# KiCad board main_MagicAlonso-rounded.kicad_pcb (continued)
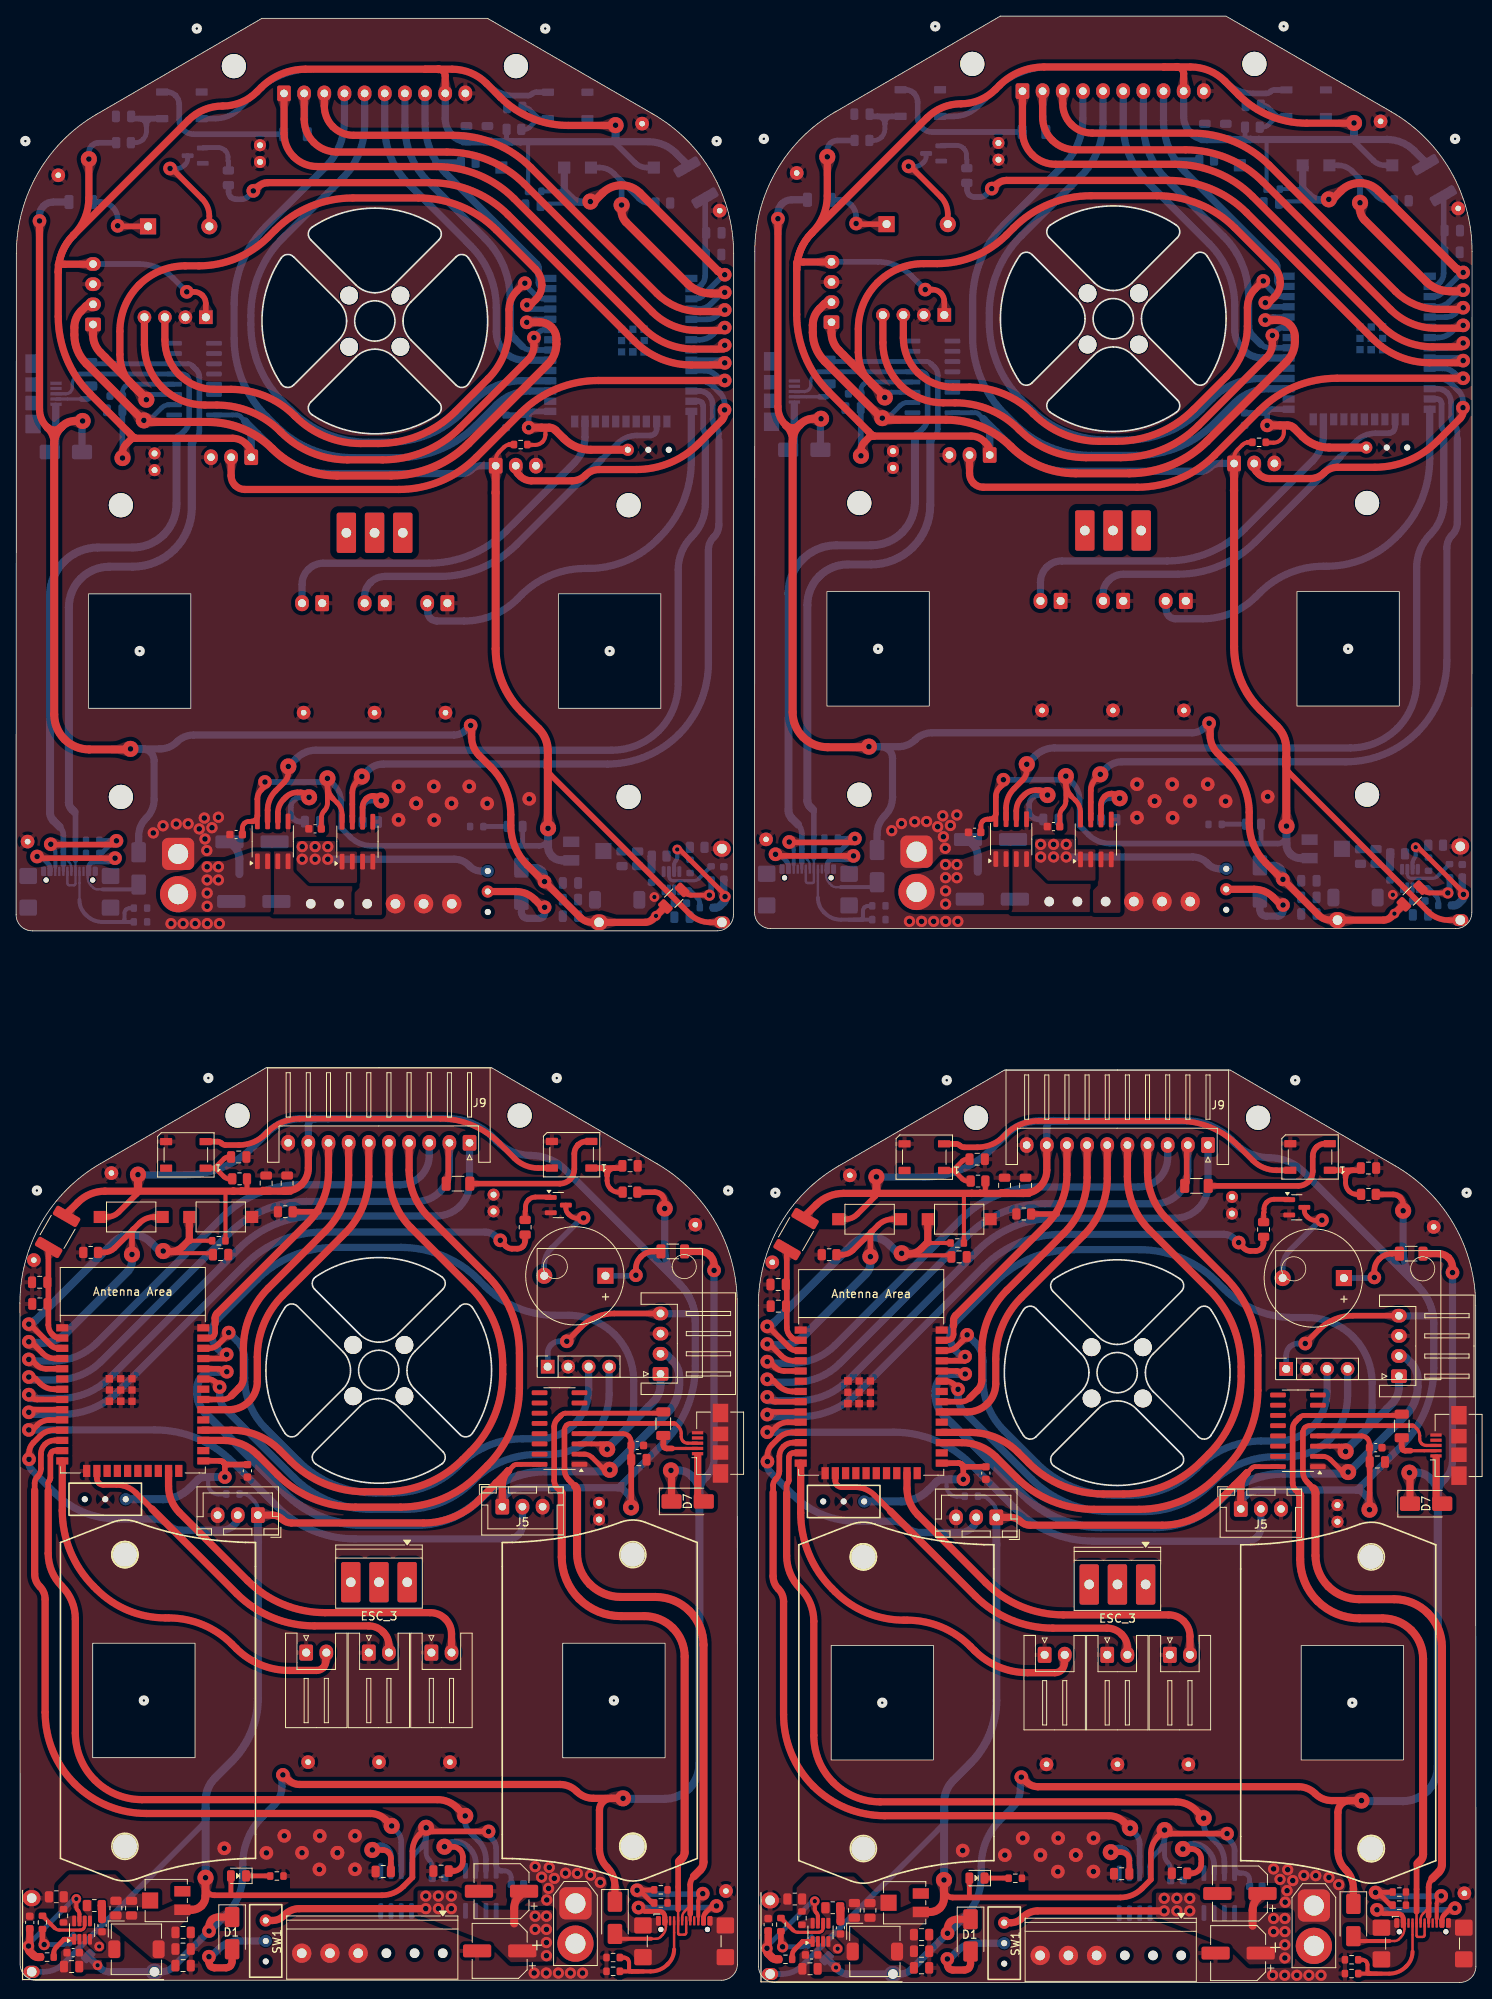
[diagram p0: board, top side]
## Placement (name value [footprint] x y rotation side) (continued)
J16#3  USB_B_Micro  [USB_Micro-B_Amphenol_10104110_Horizontal]  95.02 197.44 90 bottom
J16#4  USB_B_Micro  [USB_Micro-B_Amphenol_10104110_Horizontal]  3.4 197.16 90 bottom
L1  6.8uH  [L_TDK_SLF6025]  106.55 3.86 0 top
L1#2  6.8uH  [L_TDK_SLF6025]  14.93 4.14 0 top
L1#3  6.8uH  [L_TDK_SLF6025]  166.2 134.65 180 bottom
L1#4  6.8uH  [L_TDK_SLF6025]  74.57 134.37 180 bottom
NOREF  -  [unnamed]  36.22 27.35 0 top
NOREF#2  -  [unnamed#2]  59.24 97.77 0 top
NOREF#3  -  [unnamed]  179.7 11.07 0 top
NOREF#4  -  [unnamed]  93.82 89.38 0 top
NOREF#5  -  [unnamed]  145.45 27.07 0 top
NOREF#6  -  [unnamed#2]  72.32 59.53 0 top
NOREF#7  -  [unnamed]  175.89 93.77 0 top
NOREF#8  -  [unnamed]  84.27 94.05 0 top
NOREF#9  -  [unnamed]  88.07 11.35 0 top
NOREF#10  -  [unnamed]  127.85 27.07 0 top
NOREF#11  -  [unnamed]  136.65 27.07 0 top
NOREF#12  -  [unnamed#2]  150.86 97.5 0 top
NOREF#13  -  [unnamed]  2.2 89.65 0 top
NOREF#14  -  [unnamed]  45.02 27.35 0 top
NOREF#15  -  [unnamed]  53.82 27.35 0 top
NOREF#16  -  [unnamed#2]  163.95 59.25 0 top
NOREF#17  -  [unnamed]  11.82 100.45 0 top
NOREF#18  -  [unnamed#2]  72.32 57.45 0 top
NOREF#19  -  [unnamed]  103.45 100.18 0 top
NOREF#20  -  [unnamed#2]  150.86 95.42 0 top
NOREF#21  -  [unnamed#2]  163.95 57.18 0 top
NOREF#22  -  [unnamed#2]  59.24 95.7 0 top
NOREF#23  -  [unnamed]  77.67 230.69 180 bottom
NOREF#24  -  [unnamed#2]  108.8 190.04 180 bottom
NOREF#25  -  [unnamed]  44.48 157.59 180 bottom
NOREF#26  -  [unnamed]  169.3 230.97 180 bottom
NOREF#27  -  [unnamed#2]  121.88 228.29 180 bottom
NOREF#28  -  [unnamed]  53.28 157.59 180 bottom
NOREF#29  -  [unnamed]  93.05 141.87 180 bottom
NOREF#30  -  [unnamed]  96.85 224.56 180 bottom
NOREF#31  -  [unnamed]  5.23 224.28 180 bottom
NOREF#32  -  [unnamed#2]  17.17 187.69 180 bottom
NOREF#33  -  [unnamed#2]  121.88 226.21 180 bottom
NOREF#34  -  [unnamed]  35.68 157.59 180 bottom
NOREF#35  -  [unnamed]  136.1 157.87 180 bottom
NOREF#36  -  [unnamed]  87.3 219.89 180 bottom
NOREF#37  -  [unnamed]  144.9 157.87 180 bottom
NOREF#38  -  [unnamed]  178.92 220.17 180 bottom
NOREF#39  -  [unnamed]  127.3 157.87 180 bottom
NOREF#40  -  [unnamed#2]  108.8 187.97 180 bottom
NOREF#41  -  [unnamed#2]  30.26 228.01 180 bottom
NOREF#42  -  [unnamed#2]  30.26 225.93 180 bottom
NOREF#43  -  [unnamed]  1.42 141.59 180 bottom
NOREF#44  -  [unnamed#2]  17.17 189.76 180 bottom
Q1  IRLML2502  [SOT-23]  67.27 96.48 0 top
Q1#2  IRLML2502  [SOT-23]  158.9 96.2 0 top
Q1#3  IRLML2502  [SOT-23]  22.23 226.71 180 bottom
Q1#4  IRLML2502  [SOT-23]  113.85 226.99 180 bottom
R1  1k  [R_0603_1608Metric]  32.35 13.22 0 top
R1#2  1k  [R_0603_1608Metric]  123.97 12.94 0 top
R1#3  1k  [R_0603_1608Metric]  57.15 143.45 180 bottom
R1#4  1k  [R_0603_1608Metric]  148.77 143.73 180 bottom
R2  10k  [R_0603_1608Metric]  25.15 92.05 0 top
R2#2  10k  [R_0603_1608Metric]  116.77 91.78 0 top
R2#3  10k  [R_0603_1608Metric]  64.35 222.29 180 bottom
R2#4  10k  [R_0603_1608Metric]  155.97 222.57 180 bottom
R3  10k  [R_0603_1608Metric]  154.22 191.14 180 top
R3#2  10k  [R_0603_1608Metric]  62.6 190.86 180 top
R3#3  10k  [R_0603_1608Metric]  26.9 60.63 0 bottom
R3#4  10k  [R_0603_1608Metric]  118.52 60.35 0 bottom
R4  330  [R_1206_3216Metric]  173.1 90.45 0 top
R4#2  330  [R_1206_3216Metric]  81.47 90.73 0 top
R4#3  330  [R_1206_3216Metric]  99.65 221.24 180 bottom
R4#4  330  [R_1206_3216Metric]  8.03 220.96 180 bottom
R5  100  [R_0805_2012Metric]  119.35 99.46 0 top
R5#2  100  [R_0805_2012Metric]  27.73 99.74 0 top
R5#3  100  [R_0805_2012Metric]  61.77 229.97 180 bottom
R5#4  100  [R_0805_2012Metric]  153.39 230.25 180 bottom
R6  10k  [R_0805_2012Metric]  125.02 95.38 0 top
R6#2  10k  [R_0805_2012Metric]  33.4 95.65 0 top
R6#3  10k  [R_0805_2012Metric]  56.1 225.89 180 bottom
R6#4  10k  [R_0805_2012Metric]  147.72 226.17 180 bottom
R7  100  [R_0805_2012Metric]  167.79 97.81 0 top
R7#2  100  [R_0805_2012Metric]  76.17 98.09 0 top
R7#3  100  [R_0805_2012Metric]  13.33 228.32 180 bottom
R7#4  100  [R_0805_2012Metric]  104.95 228.6 180 bottom
R8  330  [R_0805_2012Metric]  154.78 93.45 270 top
R8#2  330  [R_0805_2012Metric]  63.16 93.73 270 top
R8#3  330  [R_0805_2012Metric]  117.96 224.24 270 bottom
R8#4  330  [R_0805_2012Metric]  26.34 223.96 270 bottom
R9  10k  [R_0805_2012Metric]  100.87 90.32 0 top
R9#2  10k  [R_0805_2012Metric]  9.25 90.6 0 top
R9#3  10k  [R_0805_2012Metric]  80.25 220.84 180 bottom
R9#4  10k  [R_0805_2012Metric]  171.87 221.12 180 bottom
R10  10k  [R_0603_1608Metric]  74.07 1.39 0 top
R10#2  10k  [R_0603_1608Metric]  165.7 1.11 0 top
R10#3  10k  [R_0603_1608Metric]  107.05 131.9 180 bottom
R10#4  10k  [R_0603_1608Metric]  15.42 131.62 180 bottom
R11  10k  [R_0603_1608Metric]  165.7 2.82 0 top
R11#2  10k  [R_0603_1608Metric]  74.07 3.1 0 top
R11#3  10k  [R_0603_1608Metric]  107.05 133.62 180 bottom
R11#4  10k  [R_0603_1608Metric]  15.42 133.34 180 bottom
R12  10k  [R_0603_1608Metric]  171.62 11.22 180 top
R12#2  10k  [R_0603_1608Metric]  80 11.5 180 top
R12#3  10k  [R_0603_1608Metric]  101.12 142.02 0 bottom
R12#4  10k  [R_0603_1608Metric]  9.5 141.74 0 bottom
R13  10k  [R_0603_1608Metric]  171.62 9.6 180 top
R13#2  10k  [R_0603_1608Metric]  80 9.88 180 top
R13#3  10k  [R_0603_1608Metric]  9.5 140.11 0 bottom
R13#4  10k  [R_0603_1608Metric]  101.12 140.39 0 bottom
R14  20  [R_0805_2012Metric]  101.33 9.28 180 top
R14#2  20  [R_0805_2012Metric]  9.71 9.55 180 top
R14#3  20  [R_0805_2012Metric]  79.79 139.79 0 bottom
R14#4  20  [R_0805_2012Metric]  171.42 140.07 0 bottom
R15  100k  [R_0603_1608Metric]  94.89 7.18 270 top
R15#2  100k  [R_0603_1608Metric]  3.27 7.46 270 top
R15#3  100k  [R_0603_1608Metric]  86.23 137.69 270 bottom
R15#4  100k  [R_0603_1608Metric]  177.85 137.97 270 bottom
R16  10k  [R_0603_1608Metric]  95.46 2.88 180 top
R16#2  10k  [R_0603_1608Metric]  3.84 3.16 180 top
R16#3  10k  [R_0603_1608Metric]  177.28 133.67 0 bottom
R16#4  10k  [R_0603_1608Metric]  85.66 133.39 0 bottom
R17  10k  [R_0805_2012Metric]  4.99 10.64 0 top
R17#2  10k  [R_0805_2012Metric]  96.61 10.36 0 top
R17#3  10k  [R_0805_2012Metric]  176.13 141.15 180 bottom
R17#4  10k  [R_0805_2012Metric]  84.51 140.87 180 bottom
REF**  -  [MagicAlonso_Red_Mod_23.5mm]  107.87 37.62 0 top
REF**#2  -  [MagicAlonso_Red_Mod_23.5mm]  73.77 32.1 180 top
REF**#3  -  [MagicAlonso_Red_Mod_23.5mm]  165.39 31.82 180 top
REF**#4  R_1206_3216Metric  [R_1206_3216Metric#2]  173.22 134.84 90 top
REF**#5  -  [MagicAlonso_Red_Mod_23.5mm]  16.25 37.9 0 top
REF**#6  -  [R_1206_3216Metric]  80.3 69.35 90 top  (not fitted)
REF**#7  -  [R_1206_3216Metric]  54.83 99.14 180 top  (not fitted)
REF**#8  -  [R_1206_3216Metric]  146.45 98.86 180 top  (not fitted)
REF**#9  -  [R_1206_3216Metric]  171.92 69.07 90 top  (not fitted)
REF**#10  R_1206_3216Metric  [R_1206_3216Metric#2]  81.6 134.56 90 top
REF**#11  -  [MagicAlonso_Red_Mod_23.5mm]  164.87 168.42 180 bottom
REF**#12  -  [R_1206_3216Metric]  126.29 229.65 0 bottom  (not fitted)
REF**#13  -  [MagicAlonso_Red_Mod_23.5mm]  107.35 162.61 0 bottom
REF**#14  -  [R_1206_3216Metric]  34.67 229.37 0 bottom  (not fitted)
REF**#15  -  [R_1206_3216Metric]  100.82 199.87 90 bottom  (not fitted)
REF**#16  -  [MagicAlonso_Red_Mod_23.5mm]  15.73 162.33 0 bottom
REF**#17  -  [R_1206_3216Metric]  9.2 199.59 90 bottom  (not fitted)
REF**#18  R_1206_3216Metric  [R_1206_3216Metric#2]  7.9 4.33 90 bottom
REF**#19  R_1206_3216Metric  [R_1206_3216Metric#2]  99.52 4.05 90 bottom
REF**#20  -  [MagicAlonso_Red_Mod_23.5mm]  73.25 168.14 180 bottom
Rp1  47k  [R_0805_2012Metric]  14.32 9.23 270 top
Rp1#2  47k  [R_0805_2012Metric]  105.94 8.95 270 top
Rp1#3  47k  [R_0805_2012Metric]  166.8 139.74 270 bottom
Rp1#4  47k  [R_0805_2012Metric]  75.18 139.46 270 bottom
Rp2  100k  [R_0805_2012Metric]  12.38 9.23 270 top
Rp2#2  100k  [R_0805_2012Metric]  104.01 8.95 270 top
Rp2#3  100k  [R_0805_2012Metric]  77.12 139.46 270 bottom
Rp2#4  100k  [R_0805_2012Metric]  168.74 139.74 270 bottom
Rt1  33k  [R_0603_1608Metric]  97.5 8 90 top
Rt1#2  33k  [R_0603_1608Metric]  5.88 8.28 90 top
Rt1#3  33k  [R_0603_1608Metric]  83.62 138.51 90 bottom
Rt1#4  33k  [R_0603_1608Metric]  175.24 138.79 90 bottom
RV1  Pot  [Potentiometer_Vishay_TS53YJ_Vertical]  18.63 10.18 0 top
RV1#2  Pot  [Potentiometer_Vishay_TS53YJ_Vertical]  110.25 9.9 0 top
RV1#3  Pot  [Potentiometer_Vishay_TS53YJ_Vertical]  70.87 140.41 180 bottom
RV1#4  Pot  [Potentiometer_Vishay_TS53YJ_Vertical]  162.5 140.69 180 bottom
ST1  MP2315  [TSOT-23-8]  99.81 6.23 90 top
ST1#2  MP2315  [TSOT-23-8]  8.18 6.5 90 top
ST1#3  MP2315  [TSOT-23-8]  172.94 137.02 90 bottom
ST1#4  MP2315  [TSOT-23-8]  81.32 136.74 90 bottom
SW1  Power_SW  [SW_Slide-03_P2.54_L9_W4_H7#2]  122.6 4.88 90 top
SW1#2  Power_SW  [SW_Slide-03_P2.54_L9_W4_H7#2]  30.97 5.16 90 top
SW1#3  Power_SW  [SW_Slide-03_P2.54_L9_W4_H7#2]  150.15 135.67 90 bottom
SW1#4  Power_SW  [SW_Slide-03_P2.54_L9_W4_H7#2]  58.53 135.39 90 bottom
SW2  EN_Push  [SW_SPST_CK_RS282G05A3]  117.01 94.73 0 top
SW2#2  EN_Push  [SW_SPST_CK_RS282G05A3]  25.39 95.01 0 top
SW2#3  EN_Push  [SW_SPST_CK_RS282G05A3]  155.73 225.52 180 bottom
SW2#4  EN_Push  [SW_SPST_CK_RS282G05A3]  64.11 225.24 180 bottom
SW3  Boot_SW  [SW_Slide-03_P2.54_L9_W4_H7]  11.06 59.98 180 top
SW3#2  Boot_SW  [SW_Slide-03_P2.54_L9_W4_H7]  102.68 59.7 180 top
SW3#3  Boot_SW  [SW_Slide-03_P2.54_L9_W4_H7]  170.06 190.49 0 bottom
SW3#4  Boot_SW  [SW_Slide-03_P2.54_L9_W4_H7]  78.44 190.21 0 bottom
SW4  BUTTON_Push  [SW_SPST_CK_RS282G05A3]  105.9 94.72 0 top
SW4#2  BUTTON_Push  [SW_SPST_CK_RS282G05A3]  14.27 95 0 top
SW4#3  BUTTON_Push  [SW_SPST_CK_RS282G05A3]  166.85 225.52 180 bottom
SW4#4  BUTTON_Push  [SW_SPST_CK_RS282G05A3]  75.22 225.24 180 bottom
U1  -  [ESP32-WROOM-32E]  106.1 73.96 0 top
U1#2  -  [ESP32-WROOM-32E]  14.47 74.24 0 top
U1#3  -  [ESP32-WROOM-32E]  75.03 204.47 180 bottom
U1#4  -  [ESP32-WROOM-32E]  166.65 204.75 180 bottom
U2  ACS712-30A  [SOIC-8_3.9x4.9mm_P1.27mm]  123.46 141.9 90 top
U2#2  ACS712-30A  [SOIC-8_3.9x4.9mm_P1.27mm]  31.84 141.62 90 top
U2#3  ACS712-30A  [SOIC-8_3.9x4.9mm_P1.27mm]  149.28 11.1 90 bottom
U2#4  ACS712-30A  [SOIC-8_3.9x4.9mm_P1.27mm]  57.66 11.38 90 bottom
U3  ACS712-20A  [SOIC-8_3.9x4.9mm_P1.27mm]  133.97 141.86 90 top
U3#2  ACS712-20A  [SOIC-8_3.9x4.9mm_P1.27mm]  42.35 141.58 90 top
U3#3  ACS712-20A  [SOIC-8_3.9x4.9mm_P1.27mm]  138.77 11.06 90 bottom
U3#4  ACS712-20A  [SOIC-8_3.9x4.9mm_P1.27mm]  47.15 11.34 90 bottom
U4  CH340C  [SOIC-16_3.9x9.9mm_P1.27mm]  67.42 68.75 180 top
U4#2  CH340C  [SOIC-16_3.9x9.9mm_P1.27mm]  159.05 68.47 180 top
U4#3  CH340C  [SOIC-16_3.9x9.9mm_P1.27mm]  113.7 199.26 0 bottom
U4#4  CH340C  [SOIC-16_3.9x9.9mm_P1.27mm]  22.08 198.98 0 bottom
U6  Mini360  [Mini360_step-down]  101.17 5.62 180 top
U6#2  Mini360  [Mini360_step-down]  9.55 5.9 180 top
U6#3  Mini360  [Mini360_step-down]  79.95 136.14 0 bottom
U6#4  Mini360  [Mini360_step-down]  171.57 136.42 0 bottom

## Library data of the parts
BZ1 = -: Description: Buzzer, polarized; ki_fp_filters: *Buzzer*
BZ1#2-BZ1#4 = -: Description: Buzzer, polarized
C2 C2#3 C2#4 C11 C11#3 C11#4 C28#2-C28#4 = -: Description: Polarized capacitor, small symbol
C2#2 C11#2 C28 = -: Description: Polarized capacitor, small symbol; ki_fp_filters: CP_*
C3 C3#3 C3#4 C4#2-C4#4 C5 C5#2 C5#4 C6 C6#2 C6#4 C7 C7#3 C7#4 C8#2-C8#4 C9#2-C9#4 C10#2-C10#4 C12#2-C12#4 C13#2-C13#4 C14#2-C14#4 C17#2-C17#4 C18#2-C18#4 C19 C19#3 C19#4 C20#2-C20#4 C21 C21#3 C21#4 C22#2-C22#4 C23#2-C23#4 C24#2-C24#4 C26#2-C26#4 = -: Description: Unpolarized capacitor, small symbol
C3#2 C4 C5#3 C6#3 C7#2 C8-C10 C12-C14 C17 C18 C19#2 C20 C21#2 C22-C24 C26 = -: Description: Unpolarized capacitor, small symbol; ki_fp_filters: C_*
D1 D1#3 D1#4 = -: Description: Schottky diode, small symbol
D1#2 = -: Description: Schottky diode, small symbol; ki_fp_filters: TO-???* *_Diode_* *SingleDiode* D_*
D2 = -: Description: Light emitting diode, small symbol; Sim.Pin: 1=K 2=A; ki_fp_filters: LED* LED_SMD:* LED_THT:*
D2#2-D2#4 = -: Description: Light emitting diode, small symbol; Sim.Pin: 1=K 2=A
D3 D5 = -: Datasheet: https://cdn-shop.adafruit.com/datasheets/WS2812B.pdf; Description: RGB LED with integrated controller; ki_fp_filters: LED*WS2812*PLCC*5.0x5.0mm*P3.2mm*
D3#2-D3#4 D5#2-D5#4 = -: Datasheet: https://cdn-shop.adafruit.com/datasheets/WS2812B.pdf; Description: RGB LED with integrated controller
D6 D7#2 = -: Description: Schottky diode; ki_fp_filters: TO-???* *_Diode_* *SingleDiode* D_*
D6#2-D6#4 D7 D7#3 D7#4 = -: Description: Schottky diode
F1 = -: Description: Resettable fuse, polymeric positive temperature coefficient; ki_fp_filters: *polyfuse* *PTC*
F1#2-F1#4 = -: Description: Resettable fuse, polymeric positive temperature coefficient
H1 H1#3 H1#4 H2 H2#3 H2#4 H3 H3#3 H3#4 H4 H4#3 H4#4 H5 H5#3 H5#4 H6 H6#3 H6#4 H7 H7#3 H7#4 H8#2-H8#4 H9#2-H9#4 H10 H10#3 H10#4 = -: Description: Mounting Hole without connection
H1#2 H2#2 H3#2 H4#2 H5#2 H6#2 H7#2 H8 H9 H10#2 = -: Description: Mounting Hole without connection; ki_fp_filters: MountingHole*
J1 J1#2-J1#4 = -: MF: AMASS; MAXIMUM_PACKAGE_HEIGHT: 5 mm; Package: None; Price: None; Check_prices: https://www.snapeda.com/parts/XT30PW-M/AMASS/view-part/?ref=eda; STANDARD: Manufacturer Recommendations; PARTREV: 1.2; SnapEDA_Link: https://www.snapeda.com/parts/XT30PW-M/AMASS/view-part/?ref=snap; Description_1: Socket; DC supply; XT30; male; PIN: 2; on PCBs; THT; Colour: yellow; MANUFACTURER: Amass; Availability: Not in stock
J2 J14#2 = -: Description: Generic connector, single row, 01x04, script generated; ki_fp_filters: Connector*:*_1x??_*
J2#2-J2#4 J14 J14#3 J14#4 = -: Description: Generic connector, single row, 01x04, script generated
J4 J5#2 = -: Description: Generic connector, single row, 01x03, script generated; ki_fp_filters: Connector*:*_1x??_*
J4#2-J4#4 J5 J5#3 J5#4 = -: Description: Generic connector, single row, 01x03, script generated
J9 J9#3 J9#4 = -: Description: Generic connector, single row, 01x10, script generated
J9#2 = -: Description: Generic connector, single row, 01x10, script generated; ki_fp_filters: Connector*:*_1x??_*
J10 J10#3 J10#4 J11 J11#3 J11#4 J12 J12#3 J12#4 = -: Description: Generic connector, single row, 01x02, script generated
J10#2 J11#2 J12#2 = -: Description: Generic connector, single row, 01x02, script generated; ki_fp_filters: Connector*:*_1x??_*
J13 = -: Datasheet: https://www.usb.org/sites/default/files/documents/usb_type-c.zip; Description: USB 2.0-only 16P Type-C Receptacle connector; ki_fp_filters: USB*C*Receptacle*
J13#2-J13#4 = -: Datasheet: https://www.usb.org/sites/default/files/documents/usb_type-c.zip; Description: USB 2.0-only 16P Type-C Receptacle connector
J15 = -: Description: Generic screw terminal, single row, 01x06, script generated (kicad-library-utils/schlib/autogen/connector/); ki_fp_filters: TerminalBlock*:*
J15#2-J15#4 = -: Description: Generic screw terminal, single row, 01x06, script generated (kicad-library-utils/schlib/autogen/connector/)
J16 = -: Description: USB Micro Type B connector; ki_fp_filters: USB*
J16#2-J16#4 = -: Description: USB Micro Type B connector
L1 L1#3 L1#4 = -: Description: Inductor, small symbol
L1#2 = -: Description: Inductor, small symbol; ki_fp_filters: Choke_* *Coil* Inductor_* L_*
Q1 = -: Datasheet: https://www.infineon.com/dgdl/irlml2060pbf.pdf?fileId=5546d462533600a401535664b7fb25ee; Description: 1.2A Id, 60V Vds, 480mOhm Rds, N-Channel HEXFET Power MOSFET, SOT-23; ki_fp_filters: SOT?23*
Q1#2-Q1#4 = -: Datasheet: https://www.infineon.com/dgdl/irlml2060pbf.pdf?fileId=5546d462533600a401535664b7fb25ee; Description: 1.2A Id, 60V Vds, 480mOhm Rds, N-Channel HEXFET Power MOSFET, SOT-23
R1 R2 R3#3 R4#2 R5#2 R6#2 R7#2 R8#2 R9#2 R10 R11#2 R12#2 R13#2 R14#2 R15#2 R16#2 R17 Rp1 Rp2 Rt1#2 = -: Description: Resistor, small symbol; ki_fp_filters: R_*
R1#2-R1#4 R2#2-R2#4 R3 R3#2 R3#4 R4 R4#3 R4#4 R5 R5#3 R5#4 R6 R6#3 R6#4 R7 R7#3 R7#4 R8 R8#3 R8#4 R9 R9#3 R9#4 R10#2-R10#4 R11 R11#3 R11#4 R12 R12#3 R12#4 R13 R13#3 R13#4 R14 R14#3 R14#4 R15 R15#3 R15#4 R16 R16#3 R16#4 R17#2-R17#4 Rp1#2-Rp1#4 Rp2#2-Rp2#4 Rt1 Rt1#3 Rt1#4 = -: Description: Resistor, small symbol
RV1 = -: Description: Trim-potentiometer; ki_fp_filters: Potentiometer*
RV1#2-RV1#4 = -: Description: Trim-potentiometer
SW1 SW1#2-SW1#4 SW3 SW3#2-SW3#4 = -: Description: Single Pole Single Throw (SPST) switch
SW2 SW2#2-SW2#4 SW4 SW4#2-SW4#4 = -: Description: Push button switch, generic, two pins
U1 U1#3 U1#4 = -: Datasheet: https://www.espressif.com/sites/default/files/documentation/esp32-wroom-32e_esp32-wroom-32ue_datasheet_en.pdf; Description: RF Module, ESP32-D0WD-V3 SoC, without PSRAM, Wi-Fi 802.11b/g/n, Bluetooth, BLE, 32-bit, 2.7-3.6V, onboard antenna, SMD
U1#2 = -: Datasheet: https://www.espressif.com/sites/default/files/documentation/esp32-wroom-32e_esp32-wroom-32ue_datasheet_en.pdf; Description: RF Module, ESP32-D0WD-V3 SoC, without PSRAM, Wi-Fi 802.11b/g/n, Bluetooth, BLE, 32-bit, 2.7-3.6V, onboard antenna, SMD; ki_fp_filters: ESP32?WROOM?32D*
U2 U2#2 U2#3 U3 U3#2 U3#3 = -: Datasheet: http://www.allegromicro.com/~/media/Files/Datasheets/ACS712-Datasheet.ashx?la=en; Description: ±20A Bidirectional Hall-Effect Current Sensor, +5.0V supply, 100mV/A, SOIC-8
U2#4 U3#4 = -: Datasheet: http://www.allegromicro.com/~/media/Files/Datasheets/ACS712-Datasheet.ashx?la=en; Description: ±20A Bidirectional Hall-Effect Current Sensor, +5.0V supply, 100mV/A, SOIC-8; ki_fp_filters: SOIC*3.9x4.9m*P1.27mm*
U4 = -: Datasheet: https://datasheet.lcsc.com/szlcsc/Jiangsu-Qin-Heng-CH340C_C84681.pdf; Description: USB serial converter, crystal-less, UART, SOIC-16; ki_fp_filters: SOIC*3.9x9.9mm*P1.27mm*
U4#2-U4#4 = -: Datasheet: https://datasheet.lcsc.com/szlcsc/Jiangsu-Qin-Heng-CH340C_C84681.pdf; Description: USB serial converter, crystal-less, UART, SOIC-16

## Footprints (pads in the part's own frame, mm; a bottom-side part is the same pattern mirrored in y, then rotated)
AMASS_XT30U-M_1x02_P5.0mm_Vertical
  rrect 4x4 hole 2.5: N(0,0)
  round 4.5 hole 2.5: P(5,0)
Buzzer_12x9.5RM7.6
  rect 2x2 hole 1: 1(0,0)
  round 2 hole 1: 2(7.6,0)
C_0603_1608Metric
  rrect 0.9x0.95 smd: 1(-0.775,0) 2(0.775,0)
C_0805_2012Metric
  rrect 1x1.45 smd: 1(-0.95,0) 2(0.95,0)
CP_Elec_6.3x5.4
  rrect 3.5x1.6 smd: 1(-2.8,0) 2(2.8,0)
D_SMA
  rrect 2.5x1.8 smd: 1(-2,0) 2(2,0)
ESP32-WROOM-32E
  rect 1.5x0.9 smd: 1(-8.75,7.01) 2(-8.75,5.74) 3(-8.75,4.47) 4(-8.75,3.2) 5(-8.75,1.93) 6(-8.75,0.66) 7(-8.75,-0.61) 8(-8.75,-1.88) 9(-8.75,-3.15) 10(-8.75,-4.42) 11(-8.75,-5.69) 12(-8.75,-6.96) 13(-8.75,-8.23) 14(-8.75,-9.5) 25(8.75,-9.5) 26(8.75,-8.23) 27(8.75,-6.96) 28(8.75,-5.69) 29(8.75,-4.42) 30(8.75,-3.15) 31(8.75,-1.88) 32(8.75,-0.61) 33(8.75,0.66) 34(8.75,1.93) 35(8.75,3.2) 36(8.75,4.47) 37(8.75,5.74) 38(8.75,7.01)
  rect 0.9x1.5 smd: 15(-5.72,-10.75) 16(-4.45,-10.75) 17(-3.18,-10.75) 18(-1.91,-10.75) 19(-0.64,-10.75) 20(0.63,-10.75) 21(1.9,-10.75) 22(3.17,-10.75) 23(4.44,-10.75) 24(5.71,-10.75)
  rect 0.9x0.9 smd: 39(-2.9,0.69) 39(-2.9,0.69) 39(-2.9,-0.71) 39(-2.9,-2.11) 39(-2.9,-2.11) 39(-1.5,0.69) 39(-1.5,-0.71) 39(-1.5,-2.11) 39(-1.5,-2.11) 39(-0.1,0.69) 39(-0.1,-0.71) 39(-0.1,-2.11)
Fuse_1812_4532Metric_Pad1.30x3.40mm_HandSolder
  rrect 1.3x3.4 smd rot 150: 1(-1.927,1.112) 2(1.927,-1.112)
JST_XH_B3B-XH-A_1x03_P2.50mm_Vertical
  rrect 1.7x1.95 hole 0.95: 1(0,0)
  oval 1.7x1.95 hole 0.95: 2(2.5,0) 3(5,0)
JST_XH_S2B-XH-A_1x02_P2.50mm_Horizontal
  rrect 1.7x2 hole 1: 1(0,0)
  oval 1.7x2 hole 1: 2(2.5,0)
JST_XH_S4B-XH-A_1x04_P2.50mm_Horizontal
  rrect 1.7x1.95 hole 0.95: 1(0,0)
  oval 1.7x1.95 hole 0.95: 2(2.5,0) 3(5,0) 4(7.5,0)
JST_XH_S10B-XH-A_1x10_P2.50mm_Horizontal
  rrect 1.7x1.95 hole 0.95: 1(0,0)
  oval 1.7x1.95 hole 0.95: 2(2.5,0) 3(5,0) 4(7.5,0) 5(10,0) 6(12.5,0) 7(15,0) 8(17.5,0) 9(20,0) 10(22.5,0)
L_TDK_SLF6025
  rrect 1.5x2.2 smd: 1(-2.75,0) 2(2.75,0)
LED_0805_2012Metric
  rrect 0.975x1.4 smd: 1(-0.787,0.02) 2(1.087,0.02)
LED_WS2812B_PLCC4_5.0x5.0mm_P3.2mm
  rrect 1.5x0.9 smd: 1(-2.45,1.65) 2(-2.45,-1.65) 3(2.45,-1.65) 4(2.45,1.65)
Mini360_step-down
  oval 2.2x2 hole 1.2: 1(-7.62,4.57) 2(7.62,-4.57)
  oval 2x1.5 hole 1.2: 3(7.62,4.57)
MountingHole_2.2mm_M2
  round 2.2 hole 2.2 unplated: (0,0)
MountingHole_3mm
  round 3 hole 3 unplated: (0,0)
MPU6050_Module
  rect 1.7x1.7 hole 1: 1(-6.08,9.24)
  round 1.7 hole 1: 2(-6.08,6.7) 3(-6.08,4.16) 4(-6.08,1.62)
Potentiometer_Vishay_TS53YJ_Vertical
  rect 2x1.3 smd: 1(2,1.15) 3(2,-1.15)
  rect 2x2 smd: 2(-2,0)
R_0603_1608Metric
  rrect 0.8x0.95 smd: 1(-0.825,0) 2(0.825,0)
R_0805_2012Metric
  rrect 1.025x1.4 smd: 1(-0.912,0) 2(0.912,0)
R_1206_3216Metric
  rrect 1.125x1.75 smd: 1(-1.462,0) 2(1.462,0)
R_1206_3216Metric#2
  rrect 1.125x1.75 smd rot 135: 1(-1.034,1.034) 2(1.034,-1.034)
SOIC-8_3.9x4.9mm_P1.27mm
  rrect 1.95x0.6 smd: 1(-2.475,1.905) 2(-2.475,0.635) 3(-2.475,-0.635) 4(-2.475,-1.905) 5(2.475,-1.905) 6(2.475,-0.635) 7(2.475,0.635) 8(2.475,1.905)
SOIC-16_3.9x9.9mm_P1.27mm
  rrect 1.95x0.6 smd: 1(-2.475,4.445) 2(-2.475,3.175) 3(-2.475,1.905) 4(-2.475,0.635) 5(-2.475,-0.635) 6(-2.475,-1.905) 7(-2.475,-3.175) 8(-2.475,-4.445) 9(2.475,-4.445) 10(2.475,-3.175) 11(2.475,-1.905) 12(2.475,-0.635) 13(2.475,0.635) 14(2.475,1.905) 15(2.475,3.175) 16(2.475,4.445)
SOT-23
  rrect 1.475x0.6 smd: 1(-0.938,0.95) 2(-0.938,-0.95) 3(0.938,0)
SW_Slide-03_P2.54_L9_W4_H7
  round 1.524 hole 0.762: 1(-2.54,0) 2(0,0) 3(2.54,0)
SW_Slide-03_P2.54_L9_W4_H7#2
  round 1.524 hole 0.762: 1(2.54,0) 2(0,0) 3(-2.54,0)
SW_SPST_CK_RS282G05A3
  rect 1.5x1.5 smd: 1(-3.9,0) 2(3.9,0)
TerminalBlock_Phoenix_PT-1,5-3-3.5-H_1x03_P3.50mm_Horizontal
  rrect 2.4x5 hole 1.2: 1(0,0) 2(3.5,0) 3(7,0)
TerminalBlock_Phoenix_PT-1,5-6-3.5-H_1x06_P3.50mm_Horizontal
  rrect 2.4x2.4 hole 1.2: 1(0,0)
  round 2.4 hole 1.2: 2(3.5,0) 3(7,0) 4(10.5,0) 5(14,0) 6(17.5,0)
TSOT-23-8
  rrect 1.325x0.5 smd: 1(-1.137,0.975) 2(-1.137,0.325) 3(-1.137,-0.325) 4(-1.137,-0.975) 5(1.137,-0.975) 6(1.137,-0.325) 7(1.137,0.325) 8(1.137,0.975)
unnamed
  round 1.7 hole 0.7: (0,0)
unnamed#2
  round 1.5 hole 0.75: (0,0)
USB_C_Receptacle_GCT_USB4110
  round 0.65 hole 0.65 unplated: (-2.89,2.605) (2.89,2.605)
  rrect 0.6x1.15 smd: A1(-3.2,3.68) A4(-2.4,3.68) A9(2.4,3.68) A12(3.2,3.68) B1(3.2,3.68) B4(2.4,3.68) B9(-2.4,3.68) B12(-3.2,3.68)
  rrect 0.3x1.15 smd: A5(-1.25,3.68) A6(-0.25,3.68) A7(0.25,3.68) A8(1.25,3.68) B5(1.75,3.68) B6(0.75,3.68) B7(-0.75,3.68) B8(-1.75,3.68)
  rrect 2.18x2 smd: S1(-5.11,3.105) S1(-5.11,-0.825) S1(5.11,3.105) S1(5.11,-0.825)
USB_Micro-B_Amphenol_10104110_Horizontal
  rect 0.4x1.4 smd: 1(-1.3,1.55) 2(-0.65,1.55) 3(0,1.55) 4(0.65,1.55) 5(1.3,1.55)
  rect 2.3x1.9 smd: 6(-3.75,-1.3) 6(3.75,-1.3)
  rect 1.8x1.9 smd: 6(-1.15,-1.3) 6(1.15,-1.3)

## Nets
+3.3V: C5.2 C5#2.2 C5#3.2 C5#4.2 C6.2 C6#2.2 C6#3.2 C6#4.2 C11.1 C11#2.1 C11#3.1 C11#4.1 C12.1 C12#2.1 C12#3.1 C12#4.1 C13.1 C13#2.1 C13#3.1 C13#4.1 C14.1 C14#2.1 C14#3.1 C14#4.1 C20.1 C20#2.1 C20#3.1 C20#4.1 C21.1 C21#2.1 C21#3.1 C21#4.1 C22.1 C22#2.1 C22#3.1 C22#4.1 D2.2 D2#2.2 D2#3.2 D2#4.2 F1.1 F1#2.1 F1#3.1 F1#4.1 J2.1 J2#2.1 J2#3.1 J2#4.1 J4.1 J4#2.1 J4#3.1 J4#4.1 J5.1 J5#2.1 J5#3.1 J5#4.1 J9.9 J9#2.9 J9#3.9 J9#4.9 J14.4 J14#2.4 J14#3.4 J14#4.4 L1.2 L1#2.2 L1#3.2 L1#4.2 R2.2 R2#2.2 R2#3.2 R2#4.2 R3.2 R3#2.2 R3#3.2 R3#4.2 R5.2 R5#2.2 R5#3.2 R5#4.2 R7.2 R7#2.2 R7#3.2 R7#4.2 Rp1.2 Rp1#2.2 Rp1#3.2 Rp1#4.2 Rp2.2 Rp2#2.2 Rp2#3.2 Rp2#4.2 RV1.3 RV1#2.3 RV1#3.3 RV1#4.3 SW4.1 SW4#2.1 SW4#3.1 SW4#4.1 U2.8 U2#2.8 U2#3.8 U2#4.8 U3.8 U3#2.8 U3#3.8 U3#4.8 U4.4 U4.16 U4#2.4 U4#2.16 U4#3.4 U4#3.16 U4#4.4 U4#4.16 U6.3 U6#2.3 U6#3.3 U6#4.3
/StepDown_2315/VCC_SW: C23.1 C23#2.1 C23#3.1 C23#4.1 R16.2 R16#2.2 R16#3.2 R16#4.2 ST1.7 ST1#2.7 ST1#3.7 ST1#4.7
/VDD_ESP: C3.1 C3#2.1 C3#3.1 C3#4.1 C4.1 C4#2.1 C4#3.1 C4#4.1 F1.2 F1#2.2 F1#3.2 F1#4.2 U1.2 U1#2.2 U1#3.2 U1#4.2
GND: C2.2 C2#2.2 C2#3.2 C2#4.2 C3.2 C3#2.2 C3#3.2 C3#4.2 C4.2 C4#2.2 C4#3.2 C4#4.2 C5.1 C5#2.1 C5#3.1 C5#4.1 C6.1 C6#2.1 C6#3.1 C6#4.1 C7.2 C7#2.2 C7#3.2 C7#4.2 C8.2 C8#2.2 C8#3.2 C8#4.2 C9.2 C9#2.2 C9#3.2 C9#4.2 C10.2 C10#2.2 C10#3.2 C10#4.2 C11.2 C11#2.2 C11#3.2 C11#4.2 C12.2 C12#2.2 C12#3.2 C12#4.2 C13.2 C13#2.2 C13#3.2 C13#4.2 C14.2 C14#2.2 C14#3.2 C14#4.2 C17.2 C17#2.2 C17#3.2 C17#4.2 C18.2 C18#2.2 C18#3.2 C18#4.2 C20.2 C20#2.2 C20#3.2 C20#4.2 C21.2 C21#2.2 C21#3.2 C21#4.2 C22.2 C22#2.2 C22#3.2 C22#4.2 C23.2 C23#2.2 C23#3.2 C23#4.2 C24.2 C24#2.2 C24#3.2 C24#4.2 C26.2 C26#2.2 C26#3.2 C26#4.2 C28.2 C28#2.2 C28#3.2 C28#4.2 D3.3 D3#2.3 D3#3.3 D3#4.3 D5.3 D5#2.3 D5#3.3 D5#4.3 J1.N J1#2.N J1#3.N J1#4.N J2.2 J2#2.2 J2#3.2 J2#4.2 J4.3 J4#2.3 J4#3.3 J4#4.3 J5.3 J5#2.3 J5#3.3 J5#4.3 J9.10 J9#2.10 J9#3.10 J9#4.10 J10.1 J10#2.1 J10#3.1 J10#4.1 J11.1 J11#2.1 J11#3.1 J11#4.1 J12.1 J12#2.1 J12#3.1 J12#4.1 J13.A1 J13.A12 J13.B1 J13.B12 J13.S1 J13#2.A1 J13#2.A12 J13#2.B1 J13#2.B12 J13#2.S1 J13#3.A1 J13#3.A12 J13#3.B1 J13#3.B12 J13#3.S1 J13#4.A1 J13#4.A12 J13#4.B1 J13#4.B12 J13#4.S1 J14.3 J14#2.3 J14#3.3 J14#4.3 J15.4 J15.5 J15.6 J15#2.4 J15#2.5 J15#2.6 J15#3.4 J15#3.5 J15#3.6 J15#4.4 J15#4.5 J15#4.6 J16.5 J16.6 J16#2.5 J16#2.6 J16#3.5 J16#3.6 J16#4.5 J16#4.6 NOREF. NOREF#2. NOREF#3. NOREF#4. NOREF#5. NOREF#6. NOREF#7. NOREF#8. NOREF#9. NOREF#10. NOREF#11. NOREF#12. NOREF#13. NOREF#14. NOREF#15. NOREF#16. NOREF#17. NOREF#18. NOREF#19. NOREF#20. NOREF#21. NOREF#22. NOREF#23. NOREF#24. NOREF#25. NOREF#26. NOREF#27. NOREF#28. NOREF#29. NOREF#30. NOREF#31. NOREF#32. NOREF#33. NOREF#34. NOREF#35. NOREF#36. NOREF#37. NOREF#38. NOREF#39. NOREF#40. NOREF#41. NOREF#42. NOREF#43. NOREF#44. Q1.2 Q1#2.2 Q1#3.2 Q1#4.2 R1.2 R1#2.2 R1#3.2 R1#4.2 R6.1 R6#2.1 R6#3.1 R6#4.1 R9.1 R9#2.1 R9#3.1 R9#4.1 R10.1 R10#2.1 R10#3.1 R10#4.1 R11.1 R11#2.1 R11#3.1 R11#4.1 R12.1 R12#2.1 R12#3.1 R12#4.1 R13.1 R13#2.1 R13#3.1 R13#4.1 R17.1 R17#2.1 R17#3.1 R17#4.1 ST1.4 ST1#2.4 ST1#3.4 ST1#4.4 SW2.2 SW2#2.2 SW2#3.2 SW2#4.2 SW3.2 SW3#2.2 SW3#3.2 SW3#4.2 U1.1 U1.15 U1.38 U1.39 U1#2.1 U1#2.15 U1#2.38 U1#2.39 U1#3.1 U1#3.15 U1#3.38 U1#3.39 U1#4.1 U1#4.15 U1#4.38 U1#4.39 U2.5 U2#2.5 U2#3.5 U2#4.5 U3.5 U3#2.5 U3#3.5 U3#4.5 U4.1 U4#2.1 U4#3.1 U4#4.1 U6.2 U6#2.2 U6#3.2 U6#4.2